# KiCad board key-ripper.kicad_pcb (continued)
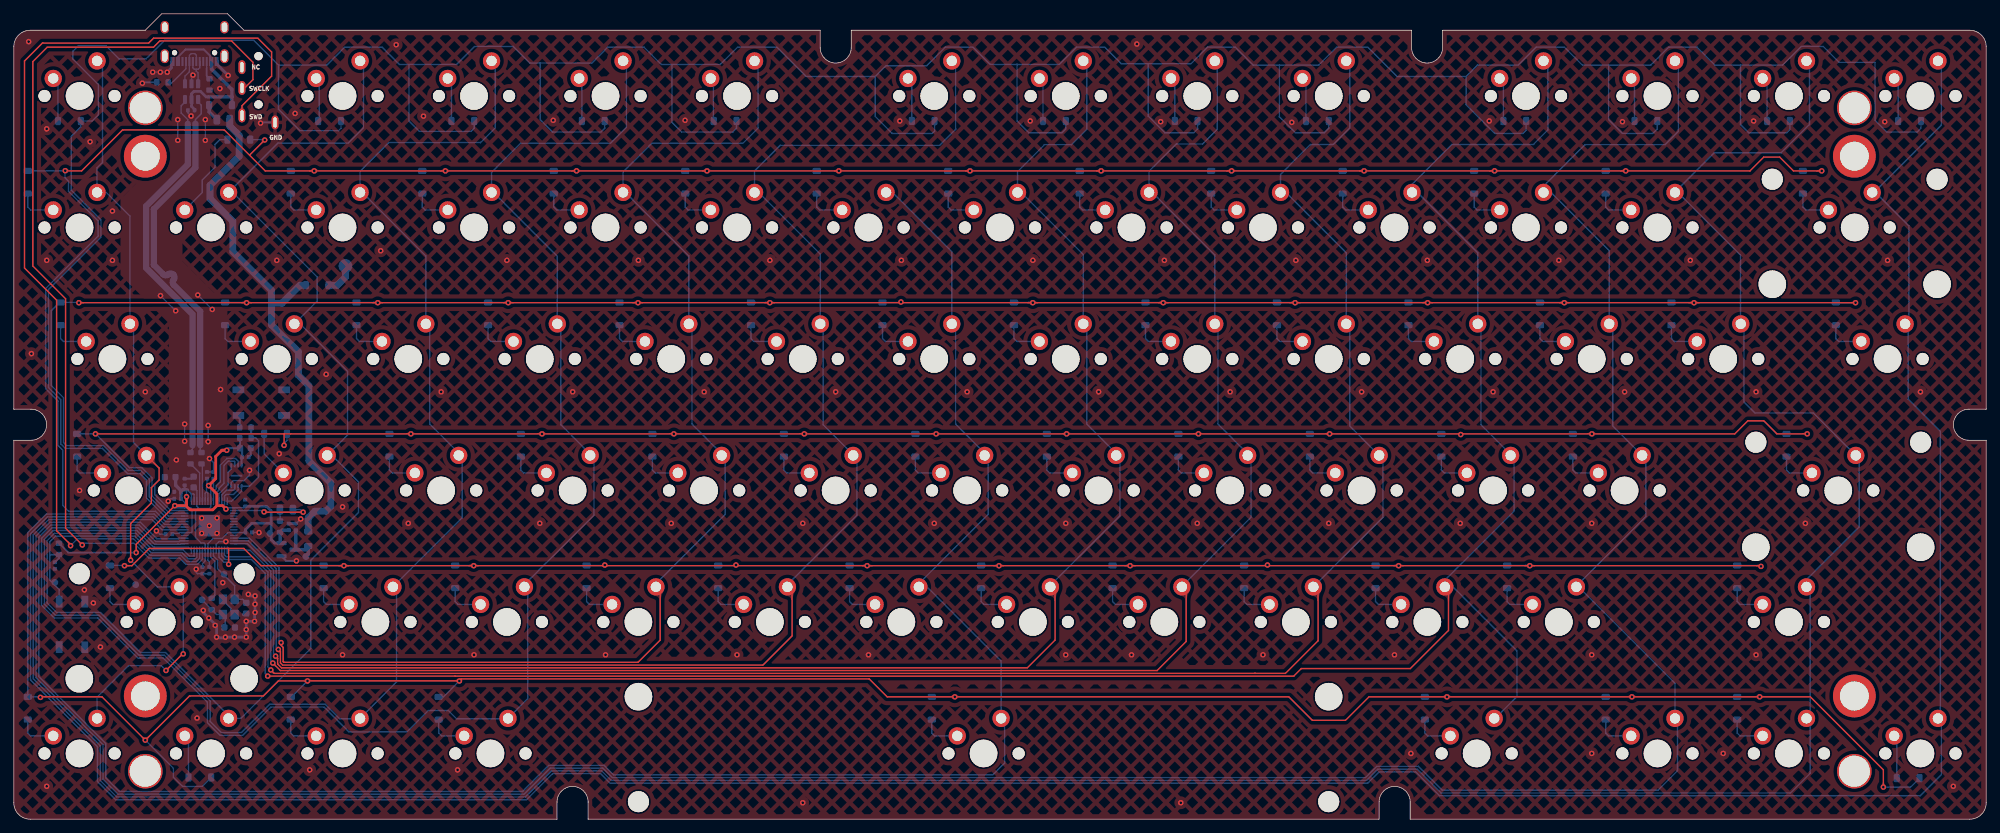
[diagram p0: board, top side]
## Routing (per net, layer and track width the routed paths; a pad name or vN(x,y) marks a point on that pad's centre or on a via; arc(x,y) is an arc through that point) (continued)
Net-(D67-A): length 5.8
  Bottom w0.2: 2.02,14.42 2.02,12.48 2.44,12.06 SW67.1
Net-(D68-A): length 6.2
  Bottom w0.2: SW68.1 25.3,11.53 D68.2
Net-(D69-A): length 5.8
  Bottom w0.2: 40.12,14.42 40.12,12.48 40.54,12.06 SW69.1
Net-(D70-A): length 5.8
  Bottom w0.2: SW70.1 61.97,12.06 61.56,12.48 61.56,14.42
Net-(D71-A): length 5.8
  Bottom w0.2: 132.99,14.42 132.99,12.48 133.41,12.06 SW71.1
Net-(D72-A): length 5.8
  Bottom w0.2: SW72.1 204.85,12.06 204.43,12.48 204.43,14.42
Net-(D73-A): length 5.8
  Bottom w0.2: SW73.1 231.04,12.06 230.62,12.48 230.62,14.42
Net-(D74-A): length 5.8
  Bottom w0.2: SW74.1 250.09,12.06 249.68,12.48 249.68,14.42
Net-(D75-A): length 6.3
  Bottom w0.2: D75.2 272.8,11.68 SW75.1
Net-(D76-K): length 2.6
  Bottom w0.5: D76.1 28.3,102.46 F1.1
Net-(D77-A): length 2
  Bottom w0.2: 38.58,42.88 38.58,44.84 D77.2
Net-(D78-A): length 4.5
  Bottom w1: TP13.1 48.05,78.55 46.85,77.35 D78.2
Net-(D78-K): length 77.7
  Bottom w1: FB1.1 42.66,43.66 43.62,44.62 45.23,44.62 45.92,45.32 45.92,48.72 42.75,51.9 42.75,62.8 41.22,64.32 41.22,67.72 37.33,71.62 37.33,75.02 ; D78.1 41.45,77.35 38.85,74.75 37.6,74.75 37.33,75.02 ; 37.33,75.02 37.33,76.62 31.72,82.22 31.72,86.62 28.43,89.92 28.43,91.82 32.65,96.05 32.65,99.05 31.29,100.41 F1.2
Net-(U5-C): length 1.8
  Bottom w0.3: R5.2 32.72,58.32 U5.4

## Copper pours and planes (outline as drawn; the poured copper is in the pictures)
GND on Top: 28.45,90.35 24.45,86.35 24.45,80.85 30.95,74.35 30.95,45.35 25.45,45.35 22.45,48.35 22.45,71.85 15.45,78.85 15.45,89.85 22.95,97.35 22.95,111.85 28.45,111.85
GND on Top, Bottom: 285.75,111.92 285.05,113.6 283.37,114.3 2.38,114.3 0.7,113.6 0,111.92 0,2.38 0.7,0.7 2.38,0 283.37,0 285.05,0.7 285.75,2.38

Small or netless copper shapes (teardrops, artwork), in the pictures only: 138 on Top, 344 on Bottom

## Text on the board
B.Silkscreen: NC | SWD | SWCLK | GND | WayWayWay | + | RUN | OSC_IN | OSC_OUT | 3V3 | 5V | DEBUG 5V | USER LED (GPIO0) | key-ripper / v0.3 / github.com/bschwind/key-ripper | SWD Port
F.Silkscreen: NC | SWD | SWCLK | GND
